# Altium PCB uz_mz_adapter.PcbDoc (part 2 of 2)
Units mm, origin at the board's own origin, x right, y up, seen from the top; angles counter-clockwise.
Board outline 140 x 100 mm, 4 copper layers (Top Layer, L02_GND, Signal, Bottom Layer), stack 0.849 mm thick; 41 components, 175 nets, 840 pads, 157 vias.
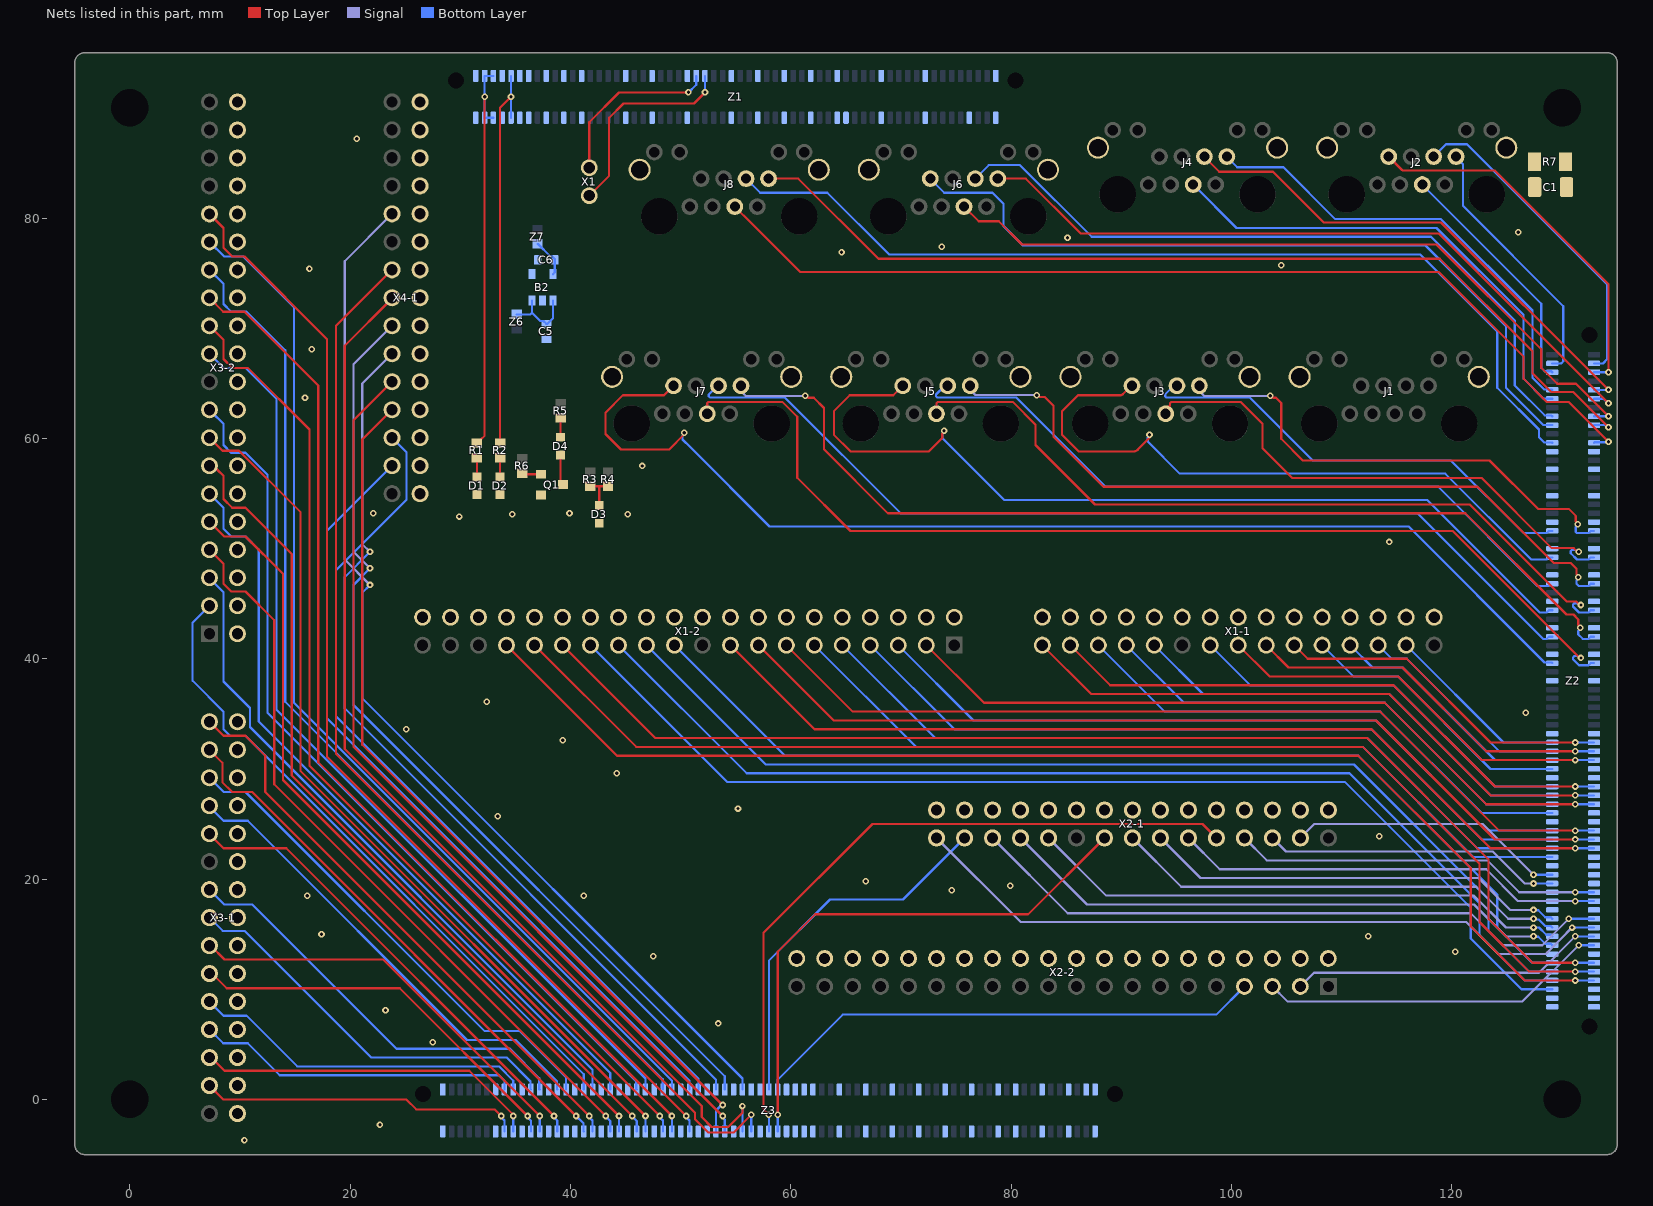
[diagram p4: the nets of this part, all layers, seen from the top]

## Via types
v1: diameter 0.6, hole 0.3, Top Layer to Bottom Layer, tented both sides, 157 vias

## Nets (pads, with @x,y where several pads share a name; then routed paths per layer and width w, separated by ;. In a path a pad name is that pad's centre, name@x,y a point inside that pad or via, vN(x,y) a via of type N, cw(c..) or ccw(c..) an arc to the next point about the centre after c; other vN are vias at no path point) (continued)
AI_P5: J3.1 Z2.42 | length 44.6
  Top Layer w0.2: v1(103.5,63.858) 103.608,63.858 103.772,63.695 104.019,63.695 104.5,63.214 104.5,59.966 106.466,58 123.4,58 127.8,53.6 130.603,53.6 131.237,52.966 131.237,52.472 131.4,52.308 v1(131.4,52.2)
  Signal w0.2: J3.1@97.075,64.725 97.328,64.472 97.328,64.025 97.495,63.858 v1(103.5,63.858)
  Bottom Layer w0.2: v1(131.4,52.2) 131.4,52.092 131.236,51.928 131.236,51.517 131.354,51.4 132.4,51.4 132.6,51.6 Z2.42@132.9,51.6
AI_P6: J3.3 Z2.41 | length 41.8
  Bottom Layer w0.2: J3.3@94.97,64.8 94.785,64.8 93.98,63.995 93.98,63.829 94.097,63.712 101.654,63.712 107.366,58 119.9,58 126.5,51.4 128.6,51.4 128.8,51.6 Z2.41@129.1,51.6
AI_P7: J3.4 Z2.48 | length 48.7
  Top Layer w0.2: J3.4@93.95,62.26 93.95,62.528 94.4,62.978 94.4,63.183 94.517,63.3 100.834,63.3 102.8,61.334 102.8,59.1 105.5,56.4 122.7,56.4 129.062,50.038 131.054,50.038 131.392,49.7 v1(131.5,49.7)
  Bottom Layer w0.2: v1(131.5,49.7) 131.392,49.7 131.224,49.868 130.9,49.868 130.783,49.751 130.783,49.569 131.351,49 132.4,49 132.6,49.2 Z2.48@132.9,49.2
AI_P8: J3.7 Z2.47 | length 60.7
  Top Layer w0.2: J3.7@90.92,64.81 90.117,64.007 cw(c89.891,64.233) 89.891,63.914 86.048,63.914 84.6,62.466 84.6,60.334 86.134,58.8 91.051,58.8 ccw(c91.051,59.4) 91.475,58.975 91.592,59.092 ; 91.593,59.093 92.544,60.044 v1(92.544,60.323)
  Bottom Layer w0.2: v1(92.544,60.323) 92.544,60.214 92.381,60.051 92.381,59.723 95.303,56.8 119.4,56.8 127.2,49 128.6,49 128.8,49.2 Z2.47@129.1,49.2
AI_P9: J5.1 Z2.54 | length 67.1
  Top Layer w0.2: v1(82.3,63.927) 82.408,63.927 82.572,63.763 83.037,63.763 83.831,62.969 83.831,60.134 88.366,55.6 122.316,55.6 129.233,48.683 130.783,48.683 131.3,48.166 131.3,47.672 131.464,47.508 v1(131.464,47.4)
  Signal w0.2: J5.1@76.2,64.8 76.2,64.487 76.641,64.046 76.641,64.044 76.758,63.927 v1(82.3,63.927)
  Bottom Layer w0.2: v1(131.464,47.4) 131.464,47.292 131.3,47.128 131.3,46.8 131.5,46.6 132.4,46.6 132.6,46.8 Z2.54@132.9,46.8
AI_P10: J5.3 Z2.53 | length 64.2
  Bottom Layer w0.2: J5.3@74.17,64.8 73.995,64.8 73.175,63.98 73.175,63.814 73.292,63.697 80.469,63.697 88.566,55.6 118.766,55.6 127.766,46.6 Z2.53@128.766,46.6
AI_P11: J5.4 Z2.60 | length 71.4
  Top Layer w0.2: J5.4@73.15,62.26 73.21,62.32 73.21,63.196 73.327,63.313 80.121,63.313 82.2,61.234 82.2,59.4 87.6,54 121.6,54 130.393,45.207 131.092,45.207 131.258,45.207 131.592,44.873 v1(131.7,44.873)
  Bottom Layer w0.2: v1(131.7,44.873) 131.592,44.873 131.428,45.037 131.1,45.037 130.983,44.919 130.983,44.742 131.524,44.2 132.4,44.2 132.6,44.4 Z2.60@132.9,44.4
AI_P12: J5.7 Z2.59 | length 83.8
  Top Layer w0.2: J5.7@70.15,64.775 69.289,63.914 65.348,63.914 63.9,62.466 63.9,60.334 65.434,58.8 72.5,58.8 73.736,60.036 73.736,60.428 73.9,60.592 v1(73.9,60.7)
  Bottom Layer w0.2: v1(73.9,60.7) 73.9,60.592 73.736,60.428 73.736,60.029 79.366,54.4 117.766,54.4 127.966,44.2 128.6,44.2 128.8,44.4 Z2.59@129.1,44.4
AI_P13: J7.1 Z2.66 | length 90.4
  Top Layer w0.2: v1(61.3,63.858) 61.408,63.858 61.572,63.695 62.066,63.695 63,62.761 63,59 68.8,53.2 121.2,53.2 130.391,44.009 131.021,44.009 131.464,43.566 131.464,43.072 131.627,42.908 v1(131.627,42.8)
  Signal w0.2: J7.1@55.47,64.73 55.723,64.477 55.723,64.025 55.89,63.858 v1(61.3,63.858)
  Bottom Layer w0.2: v1(131.627,42.8) 131.627,42.692 131.464,42.528 131.464,42.2 131.864,41.8 132.4,41.8 132.6,42 Z2.66@132.9,42
AI_P14: J7.3 Z2.65 | length 87.1
  Bottom Layer w0.2: J7.3@53.37,64.8 52.55,63.98 52.55,63.814 52.667,63.697 59.469,63.697 69.966,53.2 116.866,53.2 128.266,41.8 128.6,41.8 128.8,42 Z2.65@129.1,42
AI_P15: J7.4 Z2.72 | length 96.4
  Top Layer w0.2: J7.4@52.35,62.26 52.41,62.32 52.41,63.196 52.527,63.313 59.221,63.313 60.567,61.967 60.567,56.433 65.4,51.6 120.065,51.6 131.592,40.073 v1(131.7,40.073)
  Bottom Layer w0.2: v1(131.7,40.073) 131.592,40.073 131.428,40.237 131.1,40.237 130.983,40.119 130.983,39.942 131.524,39.4 132.4,39.4 132.6,39.6 Z2.72@132.9,39.6
AI_P16: J7.7 Z2.71 | length 105.6
  Top Layer w0.2: J7.7@49.35,64.775 48.489,63.914 44.751,63.914 43.17,62.333 43.17,60.402 44.577,58.995 48.95,58.995 50.327,60.372 v1(50.327,60.5)
  Bottom Layer w0.2: v1(50.327,60.5) 50.327,60.392 50.164,60.228 50.164,59.9 50.881,59.183 58.064,52 116.066,52 128.4,39.666 129.034,39.666 Z2.71@129.1,39.6
EXT_DIO_0: X3-1.2 Z3.15 | length 29.1
  Top Layer w0.2: X3-1.2@7.23,1.26 8.49,0 25.1,0 26,-0.9 33.1,-0.9 v1(33.7,-1.5)
  Bottom Layer w0.2: v1(33.7,-1.5) 33.7,-1.608 34,-1.908 Z3.15@34,-2.9
EXT_DIO_1: X3-1.3 Z3.17 | length 31.2
  Top Layer w0.2: X3-1.3@7.23,3.8 7.4,3.8 8.6,2.6 30.8,2.6 34.8,-1.4 v1(34.8,-1.5)
  Bottom Layer w0.2: Z3.17@34.8,-2.9 v1(34.8,-1.5)
EXT_DIO_2: X3-1.4 Z3.16 | length 29.5
  Bottom Layer w0.2: X3-1.4@7.23,6.34 8.47,5.1 10.7,5.1 13.6,2.2 33.5,2.2 34,1.7 Z3.16@34,0.9
EXT_DIO_3: X3-1.5 Z3.18 | length 31.3
  Bottom Layer w0.2: X3-1.5@7.23,8.88 8.51,7.6 10.6,7.6 15.2,3 33.5,3 34.8,1.7 Z3.18@34.8,0.9
EXT_DIO_4: X3-1.6 Z3.21 | length 35.7
  Top Layer w0.2: X3-1.6@7.23,11.42 7.48,11.42 8.8,10.1 24.5,10.1 v1(36.1,-1.5)
  Bottom Layer w0.2: v1(36.1,-1.5) 36.1,-1.608 36.4,-1.908 Z3.21@36.4,-2.9
EXT_DIO_5: X3-1.7 Z3.23 | length 37.8
  Top Layer w0.2: X3-1.7@7.23,13.96 7.34,13.96 8.6,12.7 23,12.7 v1(37.2,-1.5)
  Bottom Layer w0.2: Z3.23@37.2,-2.9 v1(37.2,-1.5)
EXT_DIO_6: X3-1.8 Z3.22 | length 36
  Bottom Layer w0.2: X3-1.8@7.23,16.5 8.43,15.3 10.4,15.3 21.9,3.8 34.2,3.8 36.367,1.633 36.367,0.933 Z3.22@36.4,0.9
EXT_DIO_7: X3-1.9 Z3.24 | length 38.1
  Bottom Layer w0.2: X3-1.9@7.23,19.04 8.57,17.7 11.1,17.7 24.2,4.6 34.5,4.6 37.167,1.933 37.167,0.933 Z3.24@37.2,0.9
EXT_DIO_8: X3-1.11 Z3.27 | length 43.4
  Top Layer w0.2: X3-1.11@7.23,24.12 7.23,24.07 8.5,22.8 14.2,22.8 v1(38.5,-1.5)
  Bottom Layer w0.2: v1(38.5,-1.5) 38.5,-1.608 38.8,-1.908 Z3.27@38.8,-2.9
EXT_DIO_9: Z3.29
EXT_DIO_10: X3-1.12 Z3.28 | length 42.7
  Bottom Layer w0.2: X3-1.12@7.23,26.66 7.23,26.57 8.5,25.3 10.7,25.3 30.6,5.4 35,5.4 38.767,1.633 38.767,0.933 Z3.28@38.8,0.9
EXT_DIO_11: X3-1.13 Z3.30 | length 44.7
  Bottom Layer w0.2: X3-1.13@7.23,29.2 8.53,27.9 10.5,27.9 32.2,6.2 35.4,6.2 39.6,2 Z3.30@39.6,0.9
EXT_DIO_12: X3-1.14 Z3.33 | length 49.8
  Top Layer w0.2: X3-1.14@7.23,31.74 8.4,30.57 8.4,28.8 9.3,27.9 11.1,27.9 v1(40.5,-1.5)
  Bottom Layer w0.2: v1(40.5,-1.5) 41.167,-2.167 41.167,-2.867 Z3.33@41.2,-2.9
EXT_DIO_13: X3-1.15 Z3.35 | length 52.7
  Top Layer w0.2: X3-1.15@7.23,34.28 8.506,33.004 10.496,33.004 12.3,31.2 12.3,27.9 v1(41.7,-1.5)
  Bottom Layer w0.2: v1(41.7,-1.5) 41.7,-1.608 42,-1.908 Z3.35@42,-2.9
EXT_DIO_14: X3-2.2 Z3.34 | length 60.1
  Bottom Layer w0.2: X3-2.2@7.23,44.81 5.7,43.28 5.7,38 8.5,35.2 8.5,33.6 9.1,33 10.5,33 41.2,2.3 Z3.34@41.2,0.9
EXT_DIO_15: X3-2.3 Z3.36 | length 60.9
  Bottom Layer w0.2: X3-2.3@7.23,47.35 7.23,47.307 8.5,46.037 8.5,37.924 10.9,35.524 10.9,33.8 42,2.7 Z3.36@42,0.9
EXT_DIO_16: X3-2.4 Z3.39 | length 68.6
  Top Layer w0.2: X3-2.4@7.23,49.89 8.5,48.62 8.5,46.8 9.2,46.1 10.5,46.1 13.1,43.5 13.1,28.6 v1(43.2,-1.5)
  Bottom Layer w0.2: v1(43.2,-1.5) 43.2,-1.549 43.6,-1.949 Z3.39@43.6,-2.9
EXT_DIO_17: X3-2.5 Z3.41 | length 71.9
  Top Layer w0.2: X3-2.5@7.23,52.43 8.56,51.1 10.5,51.1 13.9,47.7 13.9,29 v1(44.4,-1.5)
  Bottom Layer w0.2: Z3.41@44.4,-2.9 v1(44.4,-1.5)
EXT_DIO_18: X3-2.6 Z3.40 | length 69.9
  Bottom Layer w0.2: X3-2.6@7.23,54.97 8.5,53.7 8.5,51.8 9.2,51.1 10.5,51.1 11.7,49.9 11.7,34.3 43.6,2.4 Z3.40@43.6,0.9
EXT_DIO_19: Z3.42
EXT_DIO_20: X3-2.7 Z3.45 | length 77.4
  Top Layer w0.2: X3-2.7@7.23,57.51 7.59,57.51 7.963,57.137 8.5,56.6 8.5,54.5 9.3,53.7 10.5,53.7 14.7,49.5 14.7,29.4 v1(45.6,-1.5)
  Bottom Layer w0.2: v1(45.6,-1.5) 45.6,-1.549 46,-1.949 Z3.45@46,-2.9
EXT_DIO_21: X3-2.8 Z3.47 | length 80.2
  Top Layer w0.2: X3-2.8@7.23,60.05 8.407,58.873 9.913,58.873 15.5,53.286 15.5,29.8 v1(46.8,-1.5)
  Bottom Layer w0.2: Z3.47@46.8,-2.9 v1(46.8,-1.5)
EXT_DIO_22: X3-2.9 Z3.46 | length 78.8
  Bottom Layer w0.2: X3-2.9@7.23,62.59 7.23,62.53 7.1,62.4 7.42,62.4 8.5,61.32 8.5,59.39 9.19,58.7 10.5,58.7 12.5,56.7 12.5,35.1 45.967,1.633 45.967,0.933 Z3.46@46,0.9
EXT_DIO_23: X3-2.11 Z3.48 | length 84.3
  Bottom Layer w0.2: X3-2.11@7.23,67.67 8.5,66.4 10.5,66.4 13.3,63.6 13.3,35.4 46.8,1.9 Z3.48@46.8,0.9
EXT_DIO_24: X3-2.12 Z3.51 | length 91
  Top Layer w0.2: X3-2.12@7.23,70.21 8.5,68.94 8.5,67.2 9.3,66.4 10.7,66.4 16.3,60.8 16.3,30.3 v1(48.1,-1.5)
  Bottom Layer w0.2: v1(48.1,-1.5) 48.1,-1.608 48.4,-1.908 Z3.51@48.4,-2.9
EXT_DIO_25: X3-2.13 Z3.53 | length 94.2
  Top Layer w0.2: X3-2.13@7.23,72.75 8.48,71.5 10.4,71.5 17.1,64.8 17.1,30.6 v1(49.2,-1.5)
  Bottom Layer w0.2: Z3.53@49.2,-2.9 v1(49.2,-1.5)
EXT_DIO_26: X3-2.14 Z3.52 | length 92.3
  Bottom Layer w0.2: X3-2.14@7.23,75.29 8.5,74.02 8.5,72.2 9.2,71.5 10.6,71.5 14.1,68 14.1,36.1 48.367,1.833 48.367,0.933 Z3.52@48.4,0.9
EXT_DIO_27: X3-2.15 Z3.54 | length 95.3
  Bottom Layer w0.2: X3-2.15@7.23,77.83 8.56,76.5 10.3,76.5 14.9,71.9 14.9,36 49.2,1.7 Z3.54@49.2,0.9
EXT_DIO_28: X3-2.16 Z3.57 | length 102
  Top Layer w0.2: X3-2.16@7.23,80.37 8.5,79.1 8.5,77.3 9.3,76.5 10.4,76.5 17.9,69 17.9,31.1 v1(50.5,-1.5)
  Bottom Layer w0.2: v1(50.5,-1.5) 50.5,-1.608 50.8,-1.908 Z3.57@50.8,-2.9
EXT_DIO_29: Z3.59
EXT_DIO_30: X4-1.2 Z3.58 | length 72.7
  Bottom Layer w0.2: X4-1.2@23.8,57.52 17.9,51.62 17.9,34.6 50.8,1.7 Z3.58@50.8,0.9
EXT_DIO_31: X4-1.3 Z3.60 | length 76
  Bottom Layer w0.2: X4-1.3@23.8,60.06 25.1,58.76 25.1,54.4 18.7,48 18.7,34.8 51.6,1.9 Z3.60@51.6,0.9
EXT_DIO_32: X4-1.4 Z3.63 | length 80.5
  Top Layer w0.2: X4-1.4@23.8,62.6 21.1,59.9 21.1,32.2 v1(53.8,-0.5)
  Bottom Layer w0.2: Z3.63@53.2,-2.9 53.2,-1 53.7,-0.5 v1(53.8,-0.5)
EXT_DIO_33: X4-1.5 Z3.65 | length 83.4
  Top Layer w0.2: X4-1.5@23.8,65.14 20.3,61.64 20.3,32 v1(53.8,-1.5)
  Bottom Layer w0.2: v1(53.8,-1.5) 53.8,-1.608 54,-1.808 Z3.65@54,-2.9
EXT_DIO_34: X4-1.6 Z3.64 | length 83.1
  Signal w0.2: v1(21.8,49.7) 21.1,50.4 21.1,64.98 X4-1.6@23.8,67.68
  Bottom Layer w0.2: v1(21.8,49.7) 19.5,47.4 19.5,35.5 53.2,1.8 Z3.64@53.2,0.9
EXT_DIO_35: X4-1.7 Z3.66 | length 86
  Signal w0.2: v1(21.8,48.2) 20.3,49.7 20.3,66.72 X4-1.7@23.8,70.22
  Bottom Layer w0.2: v1(21.8,48.2) 20.3,46.7 20.3,35.8 54,2.1 Z3.66@54,0.9
EXT_DIO_36: X4-1.8 Z3.69 | length 97.1
  Top Layer w0.2: X4-1.8@23.8,72.76 23.8,72.7 19.5,68.4 19.5,31.8 51.9,-0.6 51.9,-1.6 52.8,-2.5 54.3,-2.5 55.6,-1.2 v1(55.6,-0.6)
  Bottom Layer w0.2: Z3.69@55.6,-2.9 v1(55.6,-0.6)
EXT_DIO_37: X4-1.9 Z3.71 | length 100.5
  Top Layer w0.2: X4-1.9@23.8,75.3 18.7,70.2 18.7,31.4 51.3,-1.2 51.3,-1.8 52.5,-3 54.8,-3 v1(56.4,-1.4)
  Bottom Layer w0.2: Z3.71@56.4,-2.9 v1(56.4,-1.4)
EXT_DIO_38: X4-1.11 Z3.70 | length 96.8
  Signal w0.2: v1(21.8,46.7) 19.5,49 19.5,76.08 X4-1.11@23.8,80.38
  Bottom Layer w0.2: v1(21.8,46.7) 21.1,46 21.1,36.4 55.6,1.9 Z3.70@55.6,0.9
EXT_DIO_39: Z3.72
EXT_DIO_40: X2-1.5 Z3.75 | length 64
  Top Layer w0.2: v1(58,-1.4) 57.5,-0.9 57.5,15.1 67.4,25 97.35,25 X2-1.5@98.62,23.73
  Bottom Layer w0.2: Z3.75@58,-2.9 v1(58,-1.4)
EXT_DIO_41: X2-1.9 Z3.77 | length 50.2
  Top Layer w0.2: v1(58.8,-1.4) 58.8,13.4 62.2,16.8 81.53,16.8 X2-1.9@88.46,23.73
  Bottom Layer w0.2: Z3.77@58.8,-2.9 v1(58.8,-1.4)
EXT_DIO_42: X2-1.14 Z3.76 | length 34.1
  Bottom Layer w0.2: Z3.76@58,0.9 58,12.6 63.551,18.151 70.181,18.151 X2-1.14@75.76,23.73
EXT_DIO_43: X2-2.4 Z3.78 | length 46.8
  Bottom Layer w0.2: Z3.78@58.8,0.9 58.8,1.8 64.7,7.7 98.6,7.7 X2-2.4@101.16,10.26
EXT_DIO_44: Z3.81
EXT_DIO_45: Z3.83
EXT_DIO_46: Z3.82
EXT_DIO_47: Z3.84
GND: B2.2 B2.4 C1.2 C5.1 C6.2 D1.1 D2.1 D3.1 Q1.2 R7.2 X1-1.16 X1-1.17 X1-1.18 X1-1.19 X1-1.20 X1-1.21 X1-1.22 X1-1.23 X1-1.24 X1-1.25 X1-1.26 X1-1.27 X1-1.28 X1-1.29 X1-1.30 X1-2.21 X1-2.22 X1-2.23 X1-2.24 X1-2.25 X1-2.26 X1-2.27 X1-2.28 X1-2.29 X1-2.30 X1-2.31 X1-2.32 X1-2.33 X1-2.34 X1-2.35 X1-2.36 X1-2.37 X1-2.38 X1-2.39 X1-2.40 X2-1.16 X2-1.17 X2-1.18 X2-1.19 X2-1.20 X2-1.21 X2-1.22 X2-1.23 X2-1.24 X2-1.25 X2-1.26 X2-1.27 X2-1.28 X2-1.29 X2-1.30 X2-2.21 X2-2.22 X2-2.23 X2-2.24 X2-2.25 X2-2.26 X2-2.27 X2-2.28 X2-2.29 X2-2.30 X2-2.31 X2-2.32 X2-2.33 X2-2.34 X2-2.35 X2-2.36 X2-2.37 X2-2.38 X2-2.39 X2-2.40 X3-1.16 X3-1.17 X3-1.18 X3-1.19 X3-1.20 X3-1.21 X3-1.22 X3-1.23 X3-1.24 X3-1.25 X3-1.26 X3-1.27 X3-1.28 X3-1.29 X3-1.30 X3-2.21 X3-2.22 X3-2.23 X3-2.24 X3-2.25 X3-2.26 X3-2.27 X3-2.28 X3-2.29 X3-2.30 X3-2.31 X3-2.32 X3-2.33 X3-2.34 X3-2.35 X3-2.36 X3-2.37 X3-2.38 X3-2.39 X3-2.40 X4-1.16 X4-1.17 X4-1.18 X4-1.19 X4-1.20 X4-1.21 X4-1.22 X4-1.23 X4-1.24 X4-1.25 X4-1.26 X4-1.27 X4-1.28 X4-1.29 X4-1.30 Z1.1 Z1.2 Z1.7 Z1.8 Z1.11 Z1.12 Z1.13 Z1.14 Z1.17 Z1.18 Z1.21 Z1.22 Z1.25 Z1.26 Z1.35 Z1.36 Z1.41 Z1.42 Z1.49 Z1.50 Z1.59 Z1.60 Z1.65 Z1.66 Z1.71 Z1.72 Z1.77 Z1.78 Z1.83 Z1.84 Z1.85 Z1.93 Z1.94 Z1.103 Z1.104 Z1.113 Z1.119 Z1.120 Z2.27 Z2.28 Z2.33 Z2.34 Z2.39 Z2.40 Z2.45 Z2.46 Z2.51 Z2.52 Z2.57 Z2.58 Z2.63 Z2.64 Z2.69 Z2.70 Z2.75 Z2.76 Z2.87 Z2.88 Z2.97 Z2.98 Z2.107 Z2.108 Z2.117 Z2.118 Z2.127 Z2.128 Z2.137 Z2.138 Z2.149 Z2.150 Z3.1 Z3.2 Z3.13 Z3.14 Z3.19 Z3.20 Z3.25 Z3.26 Z3.31 Z3.32 Z3.37 Z3.38 Z3.43 Z3.44 Z3.49 Z3.50 Z3.55 Z3.56 Z3.61 Z3.62 Z3.67 Z3.68 Z3.73 Z3.74 Z3.79 Z3.80 Z3.85 Z3.86 Z3.91 Z3.92 Z3.97 Z3.98 Z3.103 Z3.104 Z3.109 Z3.110 Z3.115 Z3.116 Z3.121 Z3.122 Z3.127 Z3.128 Z3.131 Z3.132 Z3.137 Z3.138 Z3.143 Z3.144 Z3.148 Z3.149 Z3.150
  other v1: 10.4,-3.7 22.7,-2.3 27.5,5.2 53.4,6.9 23.2,8.1 47.5,13 120.3,13.4 112.4,14.8 17.4,15 16.1,18.5 41.2,18.5 74.6,19 79.9,19.4 66.8,19.8 113.4,23.9 33.4,25.7 55.2,26.4 44.2,29.6 39.3,32.6 25.1,33.6 126.7,35.1 32.4,36.1 114.3,50.6 29.9,52.9 34.7,53.1 45.2,53.1 22.1,53.2 39.9,53.2 46.5,57.5 15.9,63.7 16.5,68.1 16.3,75.4 104.5,75.7 64.6,76.9 73.7,77.4 85.1,78.2 126,78.7 20.6,87.2
GND-ETH: C1.1 J1.Shell J2.Shell J3.Shell J4.Shell J5.Shell J6.Shell J7.Shell J8.Shell R7.1
LS_AIN_CH0: J2.1 Z2.3 | length 23.7
  Bottom Layer w0.2: J2.1@120.37,85.575 120.37,85.499 121,84.869 121,81.1 130.1,72 130.1,67 129.9,66.8 Z2.3@129.1,66.8
LS_AIN_CH1: J2.3 Z2.4 | length 29.6
  Bottom Layer w0.2: J2.3@118.33,85.575 119.455,86.7 121.353,86.7 134.1,73.953 134.1,67.2 133.7,66.8 Z2.4@132.9,66.8
LS_AIN_CH2: J2.4 Z2.5 | length 22.3
  Bottom Layer w0.2: J2.4@117.293,83.017 128.1,72.21 128.1,66.4 128.412,66.088 129.012,66.088 Z2.5@129.1,66
LS_AIN_CH3: J2.7 Z2.6 | length 34
  Top Layer w0.2: J2.7@114.25,85.575 115.466,84.359 115.525,84.3 123.9,84.3 134.2,74 v1(134.2,66)
  Bottom Layer w0.2: Z2.6@132.9,66 v1(134.2,66)
LS_AIN_CH4: J4.1 Z2.9 | length 41.9
  Bottom Layer w0.2: J4.1@99.547,85.552 100.5,84.6 104.7,84.6 109.4,79.9 119,79.9 127.3,71.6 127.3,65.5 128.367,64.433 129.067,64.433 Z2.9@129.1,64.4
LS_AIN_CH5: J4.3 Z2.10 | length 46.8
  Top Layer w0.2: J4.3@97.512,85.557 98.87,84.2 103.75,84.2 108.35,79.6 119,79.6 v1(134.2,64.4)
  Bottom Layer w0.2: Z2.10@132.9,64.4 v1(134.2,64.4)
LS_AIN_CH6: J4.4 Z2.11 | length 44
  Bottom Layer w0.2: J4.4@96.51,83.035 100.445,79.1 118.6,79.1 126.5,71.2 126.5,65.4 128.3,63.6 Z2.11@129.1,63.6
LS_AIN_CH7: J6.1 Z2.12 | length 65.3
  Top Layer w0.2: J6.1@78.77,83.575 81.325,83.575 86.3,78.6 118.8,78.6 v1(134.2,63.2)
  Bottom Layer w0.2: Z2.12@132.9,63.6 133.751,63.6 134.151,63.2 v1(134.2,63.2)
LS_AIN_CH8: J6.3 Z2.15 | length 65.8
  Bottom Layer w0.2: J6.3@76.73,83.575 77.955,84.8 80.8,84.8 87.3,78.3 118.1,78.3 125.7,70.7 125.7,64.8 128.412,62.088 129.012,62.088 Z2.15@129.1,62
LS_AIN_CH9: J6.4 Z2.16 | length 68.7
  Top Layer w0.2: J6.4@75.71,81.035 77.045,79.7 78.867,79.7 80.967,77.6 118.6,77.6 128.1,68.1 128.1,66.4 129.55,64.95 131.25,64.95 v1(134.2,62)
  Bottom Layer w0.2: Z2.16@132.9,62 v1(134.2,62)
LS_AIN_CH10: J6.7 Z2.17 | length 70.2
  Bottom Layer w0.2: J6.7@72.65,83.575 73.925,82.3 78.3,82.3 79.3,81.3 79.3,79.267 81.067,77.5 117.6,77.5 124.9,70.2 124.9,64.6 128.3,61.2 Z2.17@129.1,61.2
LS_AIN_CH11: J8.1 Z2.18 | length 88.1
  Top Layer w0.2: J8.1@57.97,83.575 60.676,83.575 67.951,76.3 118.9,76.3 127.3,67.9 127.3,65.9 129,64.2 131,64.2 v1(134.2,61)
  Bottom Layer w0.2: Z2.18@132.9,61.2 133.892,61.2 134.092,61 v1(134.2,61)
LS_AIN_CH12: J8.3 Z2.21 | length 86.5
  Bottom Layer w0.2: J8.3@55.93,83.575 57.205,82.3 63.3,82.3 68.9,76.7 117.1,76.7 124.1,69.7 124.1,64.6 127.9,60.8 127.9,60.1 128.367,59.633 129.067,59.633 Z2.21@129.1,59.6
LS_AIN_CH13: J8.4 Z2.22 | length 90.6
  Top Layer w0.2: J8.4@54.91,81.035 56.418,79.527 60.845,75.1 118.8,75.1 126.5,67.4 126.5,65.4 128.6,63.3 130.6,63.3 v1(134.2,59.7)
  Bottom Layer w0.2: Z2.22@132.9,59.6 132.95,59.65 134.15,59.65 v1(134.2,59.7)
LS_AIN_CH14: Z2.23
LS_AIN_CH15: Z2.24
M1_PWM_EN: X1-1.5 Z2.95 | length 25.5
  Bottom Layer w0.2: X1-1.5@108.22,41.23 111.05,38.4 115.1,38.4 123.5,30 Z2.95@129.1,30
M1_PWM_H1: X1-1.2 Z2.89 | length 16.9
  Bottom Layer w0.2: X1-1.2@115.84,41.23 124.67,32.4 Z2.89@129.1,32.4
M1_PWM_H2: X1-1.3 Z2.91 | length 19.8
  Bottom Layer w0.2: X1-1.3@113.3,41.23 114.53,40 115.9,40 124.3,31.6 Z2.91@129.1,31.6
M1_PWM_H3: X1-1.4 Z2.93 | length 22.7
  Bottom Layer w0.2: X1-1.4@110.76,41.23 112.79,39.2 115.5,39.2 123.9,30.8 Z2.93@129.1,30.8
M1_PWM_L1: X1-1.6 Z2.90 | length 30.9
  Top Layer w0.2: X1-1.6@105.68,41.23 106.91,40 115.9,40 123.5,32.4 v1(131.2,32.4)
  Bottom Layer w0.2: v1(131.2,32.4) Z2.90@132.9,32.4
M1_PWM_L2: X1-1.7 Z2.92 | length 33.7
  Top Layer w0.2: X1-1.7@103.14,41.23 105.17,39.2 115.5,39.2 123.1,31.6 v1(131.2,31.6)
  Bottom Layer w0.2: v1(131.2,31.6) Z2.92@132.9,31.6
M1_PWM_L3: X1-1.8 Z2.94 | length 36.6
  Top Layer w0.2: X1-1.8@100.6,41.23 103.43,38.4 115.1,38.4 122.7,30.8 v1(131.2,30.8)
  Bottom Layer w0.2: v1(131.2,30.8) Z2.94@132.9,30.8
M1_TEMP_H1: X2-1.2 Z2.119 | length 25.3
  Signal w0.2: X2-1.2@106.24,23.73 107.51,25 122.8,25 v1(127.4,20.4)
  Bottom Layer w0.2: v1(127.4,20.4) Z2.119@129.1,20.4
M1_TEMP_H2: X2-1.3 Z2.121 | length 27.1
  Signal w0.2: X2-1.3@103.7,23.73 104.93,22.5 123.7,22.5 126.6,19.6 v1(127.4,19.6)
  Bottom Layer w0.2: v1(127.4,19.6) Z2.121@129.1,19.6
M1_TEMP_H3: X2-1.4 Z2.124 | length 33.8
  Signal w0.2: X2-1.4@101.16,23.73 103.19,21.7 123.2,21.7 126.1,18.8 v1(131.2,18.8)
  Bottom Layer w0.2: v1(131.2,18.8) Z2.124@132.9,18.8
M2_PWM_EN: X1-1.13 Z2.105 | length 47.5
  Bottom Layer w0.2: X1-1.13@87.9,41.23 93.93,35.2 113.5,35.2 122.7,26 Z2.105@129.1,26
M2_PWM_H1: X1-1.9 Z2.99 | length 36.4
  Bottom Layer w0.2: X1-1.9@98.06,41.23 101.69,37.6 114.7,37.6 123.9,28.4 Z2.99@129.1,28.4
M2_PWM_H2: X1-1.11 Z2.101 | length 41.8
  Bottom Layer w0.2: X1-1.11@92.98,41.23 97.41,36.8 114.3,36.8 123.5,27.6 Z2.101@129.1,27.6
M2_PWM_H3: X1-1.12 Z2.103 | length 44.6
  Bottom Layer w0.2: X1-1.12@90.44,41.23 95.67,36 113.9,36 123.1,26.8 Z2.103@129.1,26.8
M2_PWM_L1: X1-1.14 Z2.100 | length 52.9
  Top Layer w0.2: X1-1.14@85.36,41.23 88.99,37.6 114.7,37.6 123.9,28.4 v1(131.2,28.4)
  Bottom Layer w0.2: v1(131.2,28.4) Z2.100@132.9,28.4
M2_PWM_L2: X1-1.15 Z2.102 | length 55.7
  Top Layer w0.2: X1-1.15@82.82,41.23 87.25,36.8 114.3,36.8 123.5,27.6 v1(131.2,27.6)
  Bottom Layer w0.2: v1(131.2,27.6) Z2.102@132.9,27.6
M2_PWM_L3: X1-2.2 Z2.104 | length 66.6
  Top Layer w0.2: X1-2.2@72.29,41.23 77.52,36 113.9,36 123.1,26.8 v1(131.2,26.8)
  Bottom Layer w0.2: v1(131.2,26.8) Z2.104@132.9,26.8
M2_TEMP_H1: X2-1.6 Z2.126 | length 39.2
  Signal w0.2: X2-1.6@96.08,23.73 98.91,20.9 123.1,20.9 126,18 v1(131.2,18)
  Bottom Layer w0.2: v1(131.2,18) Z2.126@132.9,18
M2_TEMP_H2: X2-1.7 Z2.129 | length 38.6
  Signal w0.2: X2-1.7@93.54,23.73 97.17,20.1 122.4,20.1 125.3,17.2 v1(127.4,17.2)
  Bottom Layer w0.2: v1(127.4,17.2) 127.424,17.176 127.824,17.176 128.462,16.538 128.962,16.538 Z2.129@129.1,16.4
M2_TEMP_H3: X2-1.8 Z2.131 | length 41.5
  Signal w0.2: X2-1.8@91,23.73 95.43,19.3 122.2,19.3 125.1,16.4 v1(127.4,16.4)
  Bottom Layer w0.2: v1(127.4,16.4) 127.474,16.326 127.874,16.326 128.462,15.738 128.962,15.738 Z2.131@129.1,15.6
M3_PWM_EN: X1-2.6 Z2.115 | length 74.9
  Bottom Layer w0.2: X1-2.6@62.13,41.23 71.36,32 111.9,32 121.9,22 Z2.115@129.1,22
M3_PWM_H1: X1-2.3 Z2.109 | length 66.3
  Bottom Layer w0.2: X1-2.3@69.75,41.23 76.58,34.4 113.1,34.4 123.1,24.4 Z2.109@129.1,24.4
M3_PWM_H2: X1-2.4 Z2.111 | length 69.2
  Bottom Layer w0.2: X1-2.4@67.21,41.23 74.84,33.6 112.7,33.6 122.7,23.6 Z2.111@129.1,23.6
M3_PWM_H3: X1-2.5 Z2.113 | length 72.1
  Bottom Layer w0.2: X1-2.5@64.67,41.23 73.1,32.8 112.3,32.8 122.3,22.8 Z2.113@129.1,22.8
M3_PWM_L1: X1-2.7 Z2.110 | length 80.3
  Top Layer w0.2: X1-2.7@59.59,41.23 65.62,35.2 113.5,35.2 124.3,24.4 v1(131.2,24.4)
  Bottom Layer w0.2: v1(131.2,24.4) Z2.110@132.9,24.4
M3_PWM_L2: X1-2.8 Z2.112 | length 83.2
  Top Layer w0.2: X1-2.8@57.05,41.23 63.88,34.4 113.1,34.4 123.9,23.6 v1(131.2,23.6)
  Bottom Layer w0.2: v1(131.2,23.6) Z2.112@132.9,23.6
M3_PWM_L3: X1-2.9 Z2.114 | length 86
  Top Layer w0.2: X1-2.9@54.51,41.23 62.14,33.6 112.7,33.6 123.5,22.8 v1(131.2,22.8)
  Bottom Layer w0.2: v1(131.2,22.8) Z2.114@132.9,22.8
M3_TEMP_H1: X2-1.11 Z2.133 | length 49.4
  Signal w0.2: X2-1.11@83.38,23.73 88.61,18.5 122,18.5 124.9,15.6 v1(127.4,15.6)
  Bottom Layer w0.2: v1(127.4,15.6) 127.9,15.6 128.55,14.95 128.95,14.95 Z2.133@129.1,14.8
M3_TEMP_H2: X2-1.12 Z2.135 | length 52.3
  Signal w0.2: X2-1.12@80.84,23.73 86.87,17.7 122,17.7 124.9,14.8 v1(127.4,14.8)
  Bottom Layer w0.2: v1(127.4,14.8) 127.424,14.776 127.824,14.776 128.462,14.138 128.962,14.138 Z2.135@129.1,14
M3_TEMP_H3: X2-1.13 Z2.130 | length 59.6
  Signal w0.2: X2-1.13@78.3,23.73 85.13,16.9 121.7,16.9 124.6,14 128.2,14 v1(130.6,16.4)
  Bottom Layer w0.2: v1(130.6,16.4) Z2.130@132.9,16.4
M4_PWM_EN: X1-2.14 Z2.145 | length 101.9
  Bottom Layer w0.2: X1-2.14@41.81,41.23 54.24,28.8 110.3,28.8 121.7,17.4 121.7,14.6 126.3,10 Z2.145@129.1,10
M4_PWM_H1: X1-2.11 Z2.139 | length 93.4
  Bottom Layer w0.2: X1-2.11@49.43,41.23 59.46,31.2 111.5,31.2 124.1,18.6 124.1,15.6 127.267,12.433 129.067,12.433 Z2.139@129.1,12.4
M4_PWM_H2: X1-2.12 Z2.141 | length 96.2
  Bottom Layer w0.2: X1-2.12@46.89,41.23 57.72,30.4 111.1,30.4 123.3,18.2 123.3,15.3 127,11.6 Z2.141@129.1,11.6
M4_PWM_H3: X1-2.13 Z2.143 | length 99.1
  Bottom Layer w0.2: X1-2.13@44.35,41.23 55.98,29.6 110.7,29.6 122.5,17.8 122.5,14.9 126.6,10.8 Z2.143@129.1,10.8
M4_PWM_L1: X1-2.15 Z2.140 | length 108.7
  Top Layer w0.2: X1-2.15@39.27,41.23 47.7,32.8 112.3,32.8 123.3,21.8 123.3,16.4 127.3,12.4 v1(131.2,12.4)
  Bottom Layer w0.2: v1(131.2,12.4) Z2.140@132.9,12.4
M4_PWM_L2: X1-2.16 Z2.142 | length 111.5
  Top Layer w0.2: X1-2.16@36.73,41.23 45.96,32 111.9,32 122.5,21.4 122.5,16.1 127,11.6 v1(131.2,11.6)
  Bottom Layer w0.2: v1(131.2,11.6) Z2.142@132.9,11.6
M4_PWM_L3: X1-2.17 Z2.144 | length 114.4
  Top Layer w0.2: X1-2.17@34.19,41.23 44.22,31.2 111.5,31.2 121.7,21 121.7,15.7 126.6,10.8 v1(131.2,10.8)
  Bottom Layer w0.2: v1(131.2,10.8) Z2.144@132.9,10.8
M4_TEMP_H1: X2-1.15 Z2.132 | length 65
  Signal w0.2: X2-1.15@73.22,23.73 80.85,16.1 121.3,16.1 124.2,13.2 128.5,13.2 129.898,14.598 v1(130.9,15.6)
  Bottom Layer w0.2: v1(130.9,15.6) Z2.132@132.9,15.6
M4_TEMP_H2: X2-2.2 Z2.134 | length 28.5
  Signal w0.2: X2-2.2@106.24,10.26 107.48,11.5 127.9,11.5 v1(131.2,14.8)
  Bottom Layer w0.2: v1(131.2,14.8) Z2.134@132.9,14.8
M4_TEMP_H3: X2-2.3 Z2.136 | length 31.9
  Signal w0.2: X2-2.3@103.7,10.26 105.06,8.9 126.4,8.9 v1(131.5,14)
  Bottom Layer w0.2: v1(131.5,14) Z2.136@132.9,14
NetB2_1: B2.1 B2.3 C5.2 Z6.1 | length 6.6
  Bottom Layer w0.2: Z6.1@35.1,71.25 36.35,71.25 36.5,71.4 ; B2.3@36.5,72.5 36.5,71.4 ; C5.2@37.8,70.4 37.55,70.65 37.25,70.65 36.5,71.4 ; C5.2@37.9,70.4 38.4,70.9 B2.1@38.4,72.5
NetB2_5: B2.5 C6.1 Z7.2 | length 3.6
  Bottom Layer w0.2: Z7.2@37,77.65 37.05,77.65 38.171,76.529 38.316,76.529 38.57,76.276 C6.1@38.57,76.2 38.57,75.07 B2.5@38.4,74.9
NetD1_2: D1.2 R1.1 | length 1.7
  Top Layer w0.2: D1.2@31.5,56.5 R1.1@31.5,58.25
NetD2_2: D2.2 R2.1 | length 1.7
  Top Layer w0.2: D2.2@33.6,56.5 R2.1@33.6,58.25
NetD3_2: D3.2 R3.1 R4.1 | length 3.4
  Top Layer w0.2: R3.1@41.8,55.65 42.6,55.65 ; D3.2@42.6,53.9 42.6,55.65 ; R4.1@43.4,55.65 42.6,55.65
NetD4_1: D4.1 Q1.3 | length 2.8
  Top Layer w0.2: D4.1@39.1,58.5 39.1,56 Q1.3@39.3,55.8
NetD4_2: D4.2 R5.1 | length 1.7
  Top Layer w0.2: D4.2@39.1,60.1 R5.1@39.1,61.85
NetQ1_1: Q1.1 R6.1 | length 1.7
  Top Layer w0.2: R6.1@35.6,56.85 35.7,56.75 Q1.1@37.3,56.75
PESIO_07: Z2.96
PESIO_15: Z2.106
PESIO_23: Z2.116
PESIO_26: Z2.123
PESIO_27: Z2.125
PESIO_28: Z2.120
PESIO_29: Z2.122
PESIO_47: Z2.146
PESIO_48: Z2.147
PESIO_49: Z2.148
PS_I2C0_SCL: X1.1 Z1.52 | length 16
  Top Layer w0.2: X1.1@41.7,84.57 41.7,88.7 44.4,91.4 v1(50.7,91.4)
  Bottom Layer w0.2: v1(50.7,91.4) 51.4,92.1 Z1.52@51.4,92.9
PS_I2C0_SDA: X1.2 Z1.54 | length 19
  Top Layer w0.2: X1.2@41.7,82.03 43.5,83.83 43.5,89.1 44.8,90.4 51.2,90.4 v1(52.2,91.4)
  Bottom Layer w0.2: v1(52.2,91.4) Z1.54@52.2,92.9
RSVIN_12V: R2.2 Z1.9 Z1.10 | length 35.7
  Top Layer w0.2: R2.2@33.6,59.55 33.6,61.8 33.6,90 v1(34.6,91)
  Bottom Layer w0.2: Z1.9@34.6,89.1 v1(34.6,91) Z1.10@34.6,92.9
VIN_12V: R1.2 Z1.3 Z1.4 Z1.5 Z1.6 | length 37.2
  Top Layer w0.2: R1.2@31.5,59.55 31.55,59.55 31.875,59.875 31.875,59.925 32.2,60.25 32.2,66.1 v1(32.2,91)
  Bottom Layer w0.2: Z1.5@33,89.1 Z1.3@32.2,89.1 v1(32.2,91) Z1.4@32.2,92.9 Z1.6@33,92.9
pads on no net: J1. J1.9 J1.10 J1.11 J1.12 J2. J2.9 J2.10 J2.11 J2.12 J3. J3.9 J3.10 J3.11 J3.12 J4. J4.7 J4.8 J4.9 J4.10 J4.11 J4.12 J5. J5.9 J5.10 J5.11 J5.12 J6. J6.9 J6.10 J6.11 J6.12 J7. J7.9 J7.10 J7.11 J7.12 J8. J8.7 J8.8 J8.9 J8.10 J8.11 J8.12 MH1.1 MH2.1 MH3.1 MH4.1 X1-1.10 X1-2.18 X1-2.19 X2-1.10 X2-2.5 X2-2.6 X2-2.7 X2-2.8 X2-2.9 X2-2.11 X2-2.12 X2-2.13 X2-2.14 X2-2.15 X2-2.16 X2-2.17 X2-2.18 X2-2.19 X3-1.10 X3-2.17 X3-2.18 X3-2.19 X4-1.10 X4-1.12 X4-1.13 X4-1.14 X4-1.15 Z1.23 Z1.24 Z1.27 Z1.28 Z1.29 Z1.30 Z1.31 Z1.32 Z1.33 Z1.34 Z1.37 Z1.38 Z1.39 Z1.40 Z1.43 Z1.44 Z1.45 Z1.46 Z1.47 Z1.48 Z1.51 Z1.53 Z1.55 Z1.56 Z1.57 Z1.58 Z1.61 Z1.62 Z1.63 Z1.64 Z1.67 Z1.68 Z1.69 Z1.70 Z1.73 Z1.74 Z1.75 Z1.76 Z1.79 Z1.80 Z1.81 Z1.82 Z1.86 Z1.87 Z1.88 Z1.89 Z1.90 Z1.91 Z1.92 Z1.95 Z1.96 Z1.97 Z1.98 Z1.99 Z1.100 Z1.101 Z1.102 Z1.105 Z1.106 Z1.107 Z1.108 Z1.109 Z1.110 Z1.111 Z1.112 Z1.114 Z1.115 Z1.116 Z1.117 Z1.118 Z1.H1 Z1.H2 Z2.77 Z2.78 Z2.79 Z2.80 Z2.81 Z2.82 Z2.83 Z2.84 Z2.85 Z2.86 Z2.H1 Z2.H2 Z3.3 Z3.4 Z3.5 Z3.6 Z3.7 Z3.8 Z3.9 Z3.10 Z3.11 Z3.12 Z3.87 Z3.88 Z3.89 Z3.90 Z3.93 Z3.94 Z3.95 Z3.96 Z3.99 Z3.100 Z3.101 Z3.102 Z3.105 Z3.106 Z3.107 Z3.108 Z3.111 Z3.112 Z3.113 Z3.114 Z3.117 Z3.118 Z3.119 Z3.120 Z3.123 Z3.124 Z3.125 Z3.126 Z3.129 Z3.130 Z3.133 Z3.134 Z3.135 Z3.136 Z3.139 Z3.140 Z3.141 Z3.142 Z3.145 Z3.146 Z3.147 Z3.H1 Z3.H2

## Polygon pours and split planes (outlines as drawn)
GND on Top Layer "NONET_L-01_P-001" (solid, remove dead copper, pour order 12): -5,-5 -5,95 135,95 135,-5
GND-ETH on Top Layer "NONET_L-01_P-001" (solid, remove dead copper, pour order 9): 123.7,64.4 123.7,74.8 128.2,79.762 128.2,89.1 44.6,89.1 44.6,82.754 42.6,80.534 42.6,64.4
AGND on Top Layer "NONET_L-01_P-001" (solid, remove dead copper, pour order 8): 89.9,86.2 88.1,84.4 49.8,84.4 49.8,78.4 121.3,78.4 121.3,86.2
GND on Bottom Layer "NONET_L-01_P-001" (solid, remove dead copper, pour order 15): -5,-5 -5,95 135,95 135,-5
AGND on Bottom Layer "AGND_L04_P011" (solid, remove dead copper, pour order 11): 127.9,70.6 134.1,70.6 134.1,57.8 127.9,57.8
GND on Signal "NONET_L-01_P-001" (solid, remove dead copper, pour order 14): -5,-5 -5,95 135,95 135,-5
AGND on Signal "NONET_L-01_P-001" (solid, remove dead copper, pour order 10): 123.9,63.8 128.5,59.2 135.1,59.2 135.1,73.9 122,87 49.8,87 49.8,79.3 55.1,74 118.3,74 123.9,68.4
GND on L02_GND "NONET_L-01_P-001" (solid, remove dead copper, pour order 13): -5,-5 -5,95 135,95 135,-5

## Silkscreen, mask and mechanical layers (free items; w line width, h text height)
Top Overlay:
  text "RSVIN_12V" at 32.9,76.3 h1.52 r270
  text "VIN_12V" at 30.3,73.2 h1.52 r270
  text "1V8" at 37.4,52.3 h1.52 r270
  text "3V3" at 40.6,48.1 h1.52
Bottom Courtyard:
  text "MicroZohm" at 132.826,35.393 h8 r90
  text "Zohm Control GmbH" at 28.2,-1.254 h5
  text "Intelligent Control Platforms and Algorithms" at 28.3,-3.364 h2.3

## Text inside footprints (layer, text, board x,y; h text height)
Z1: Mechanical 20 "119" at 80.3,88.6 h0.5; Mechanical 20 "120" at 80.3,93 h0.5; Mechanical 20 "1" at 30.9,88.6 h0.5; Mechanical 20 "2" at 31,93 h0.5
Z2: Mechanical 20 "149" at 128.6,6.6 h0.5 r270; Mechanical 20 "150" at 133,6.7 h0.5 r270; Mechanical 20 "1" at 129,68 h0.5; Mechanical 20 "2" at 133.3,68 h0.5
Z3: Mechanical 20 "149" at 89.3,-3.4 h0.5; Mechanical 20 "150" at 89.3,0.8 h0.5; Mechanical 20 "1" at 27.9,-3.4 h0.5; Mechanical 20 "2" at 27.9,0.8 h0.5